# Altium PCB MC21R01.PcbDoc (part 3 of 5)
Units mm, origin at the board's own origin, x right, y up, seen from the top; angles counter-clockwise.
Board outline 100 x 50 mm, 8 copper layers (Top Layer, Layer 2, Layer 3, Layer 4, Layer 5, Layer 6, Layer 7, Bottom Layer), stack 1.724 mm thick; 414 components, 332 nets, 1863 pads, 665 vias.
Unrouted connection lines stored in the file: 196.
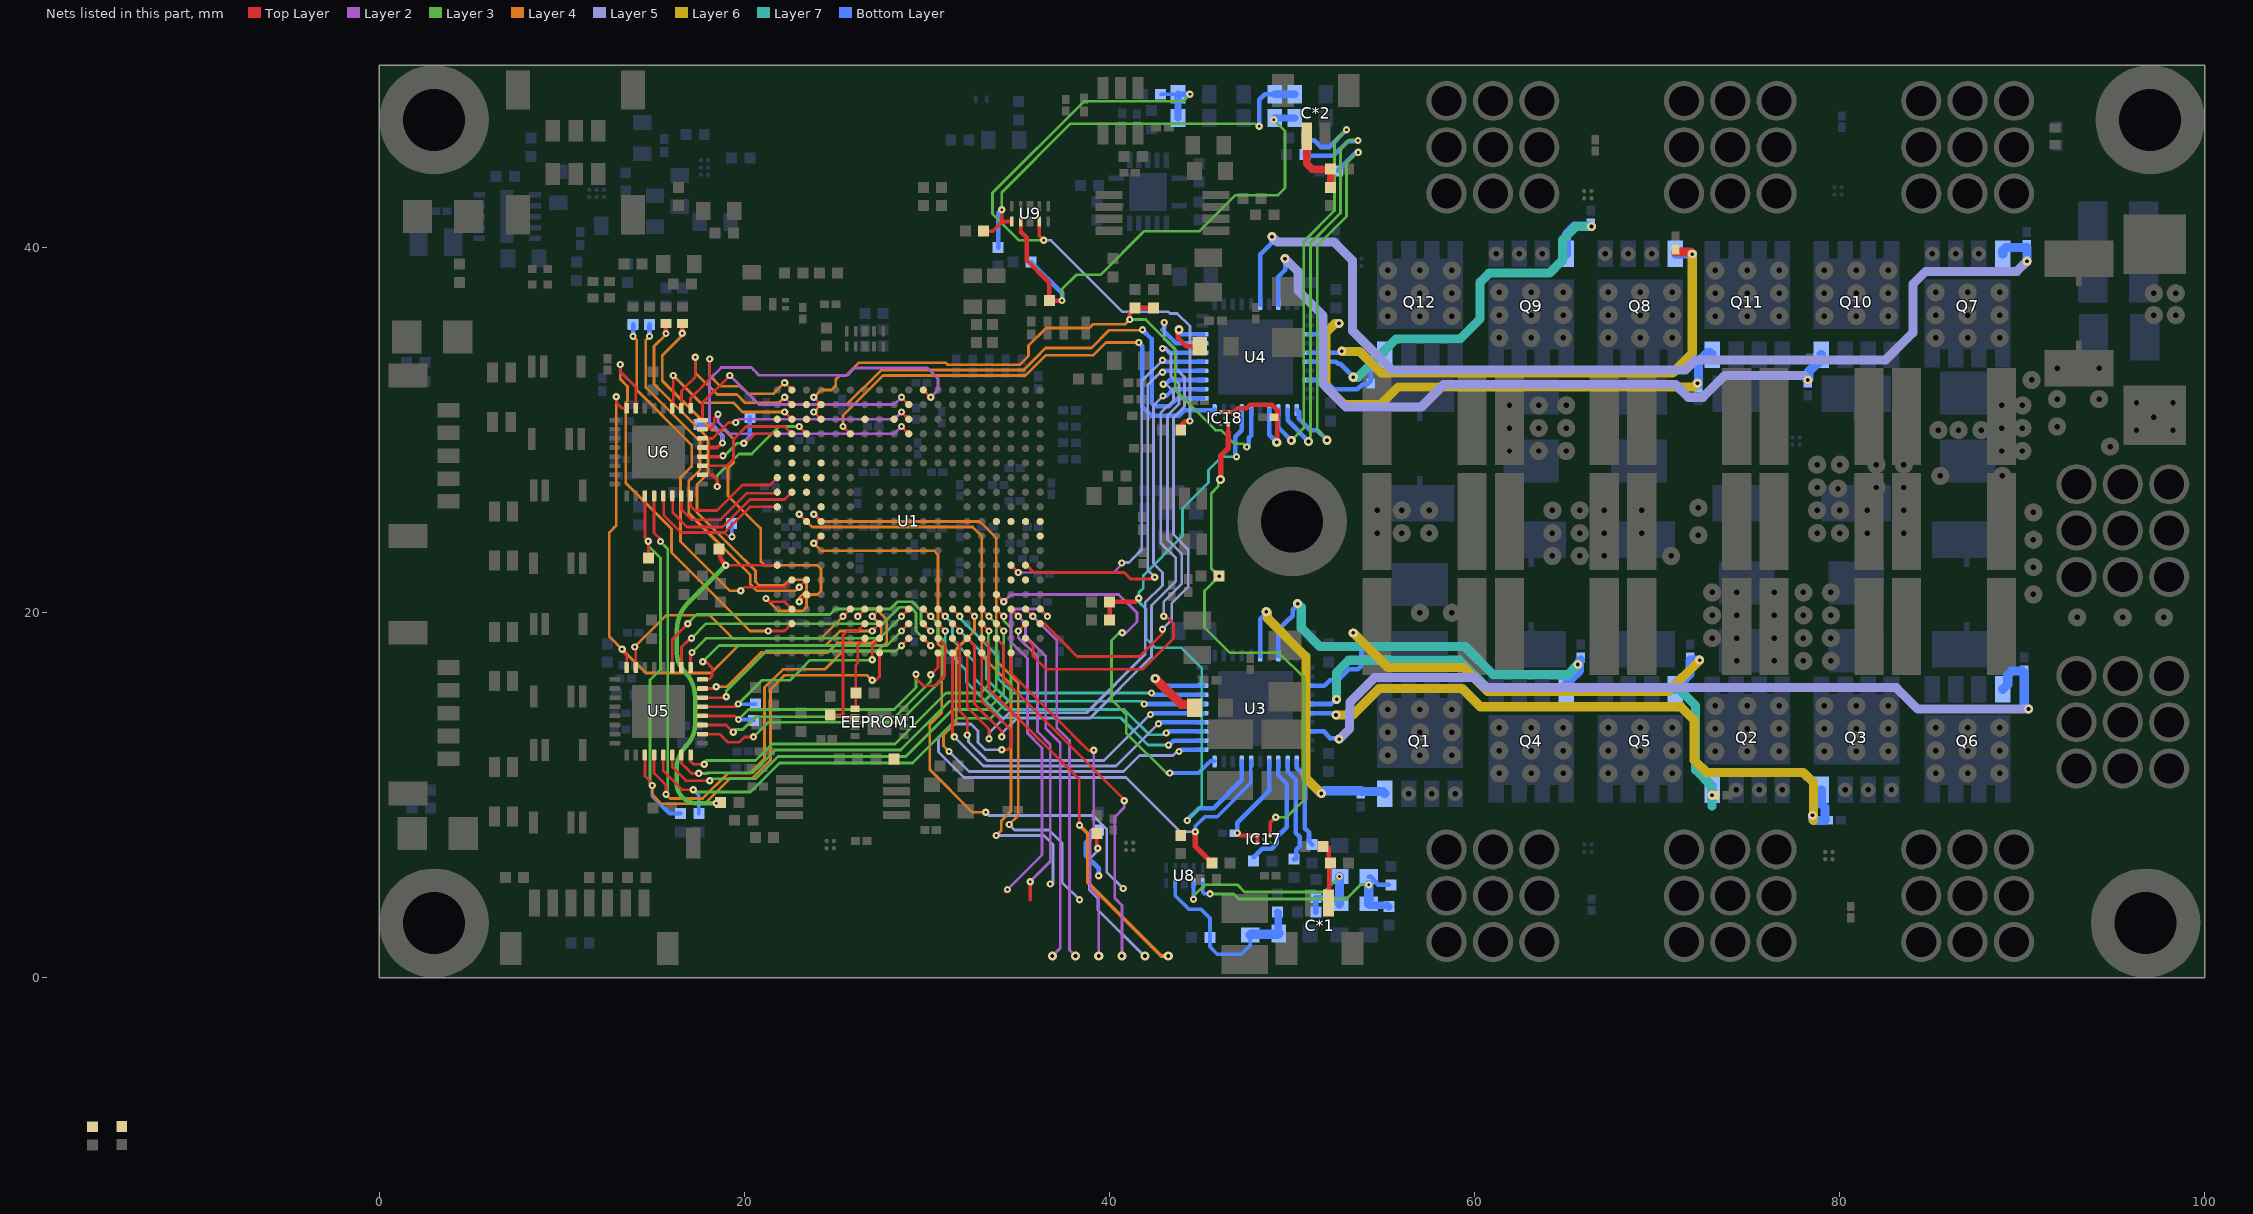
[diagram p9: the nets of this part, all layers, seen from the top]

## Via types
v1: diameter 0.4, hole 0.15, Top Layer to Bottom Layer, 497 vias
v2: diameter 0.5, hole 0.2, Top Layer to Bottom Layer, 122 vias
v3: diameter 0.6, hole 0.3, Top Layer to Bottom Layer, 45 vias
v4: diameter 0.4/0.4/0.4/0.4/0.4/0.4/0.4/0.4 (per signal layer), hole 0.15, Top Layer to Bottom Layer, 1 vias

## Nets (pads, with @x,y where several pads share a name; then routed paths per layer and width w, separated by ;. In a path a pad name is that pad's centre, name@x,y a point inside that pad or via, vN(x,y) a via of type N, cw(c..) or ccw(c..) an arc to the next point about the centre after c; other vN are vias at no path point) (continued)
DRV1_2_SOMI_GPIO17: R20.1 R66.2 U3.27 U4.27 | length 35.6
  Top Layer w0.25: R20.1@40,19.6 R66.2@40,20.6 41.4,20.6 v1(41.6,20.8)
  Layer 7 w0.15: v1(44.253,8.623) 45.044,9.413 45.044,16.978 43.944,18.077 42.507,18.077 42,18.584 42,20.2 41.6,20.6 v1(41.6,20.8) 41.6,21.1 41.85,21.35 41.85,22.05 44,24.2 44,25.716 45.425,27.141 45.425,27.825 46.14,28.54 v1(46.957,28.54)
  Bottom Layer w0.25: v1(44.253,8.623) 44.253,8.653 44.9,9.3 45.7,9.3 47.25,10.85 U3.27@47.25,11.875 ; v1(46.957,28.54) 46.891,28.606 46.891,29.641 47.25,30 U4.27@47.25,31.125
DRV1_3V3_REF: C26.1 IC17.C1 IC17.C3 U3.24 | length 6.2
  Top Layer w0.2: v1(47,7.931) 47.131,7.8 IC17.C1@48.1,7.8 IC17.C3@48.1,7.4
  Bottom Layer w0.25: v1(47,7.931) 47,8.5 48.75,10.25 U3.24@48.75,11.875
DRV1_ENABLE_GPIO89: U1.D6 U3.31 | length 23.7
  Top Layer w0.15: U1.D6@32.2,20.2 v1(32.6,19.8)
  Layer 4 w0.15: v1(31.2,12.4) 30.9,12.7 30.9,13.3 31.6,14 31.6,18 32.6,19 v1(32.6,19.8)
  Layer 5 w0.15: v1(31.2,12.4) 32.3,11.3 40.759,11.3 41.634,12.175 43.469,12.175 43.694,12.4 v1(43.8,12.4)
  Bottom Layer w0.25: v1(43.8,12.4) 43.841,12.4 43.941,12.5 U3.31@45.125,12.5
DRV1_INHA_GPIO00: U1.C8 U3.32 | length 18.4
  Top Layer w0.15: U1.C8@30.6,19.4 v1(31,19)
  Layer 7 w0.15: v1(31,19) 31,18 32.1,16.9 32.15,16.85 32.15,16.214 34.114,14.25 40.614,14.25 42.114,12.75 v1(43.231,12.75)
  Bottom Layer w0.25: v1@43.231,12.718 v1(43.231,12.75) ; v1@43.247,12.734 43.513,13 U3.32@45.125,13
DRV1_INHB_GPIO02: U1.A7 U3.34 | length 19.9
  Top Layer w0.15: U1.A7@31.4,17.8 31.4,13.3 v1(31.5,13.2)
  Layer 5 w0.15: v1(31.5,13.2) 33.1,11.6 40.352,11.6 v1(42.676,13.925)
  Bottom Layer w0.25: v1(42.676,13.925) 42.717,13.925 42.792,14 U3.34@45.125,14
DRV1_INHC_GPIO04: U1.C7 U3.36 | length 16.2
  Top Layer w0.15: U1.C7@31.4,19.4 v1(31.8,19)
  Layer 7 w0.15: v1(31.8,19) 33.262,17.537 33.262,16.9 33.262,16.374 34.486,15.15 41.75,15.15 v4(41.9,15)
  Bottom Layer w0.25: v4(41.9,15) U3.36@45.125,15
DRV1_INLA_GPIO01: U1.D8 U3.33 | length 18.5
  Top Layer w0.15: U1.D8@30.6,20.2 v1(31,19.8)
  Layer 7 w0.15: v1(31,19.8) 31.4,19.4 31.4,18.5 32.6,17.3 32.6,16.9 32.6,16.4 34.3,14.7 40.8,14.7 42.185,13.315 43.003,13.315 v1(43.1,13.412)
  Bottom Layer w0.25: v1(43.1,13.412) 43.141,13.412 43.229,13.5 U3.33@45.125,13.5
DRV1_INLB_GPIO03: U1.B7 U3.35 | length 20.5
  Top Layer w0.15: U1.B7@31.4,18.6 31.8,18.2 31.8,14.6 32.2,14.2 v1(32.2,13.3)
  Layer 5 w0.15: v1(32.2,13.3) 32.229,13.271 32.229,13.165 32.275,13.119 32.275,12.925 33.3,11.9 39.7,11.9 42.225,14.425 v1(42.244,14.425)
  Bottom Layer w0.25: v1(42.244,14.425) 42.224,14.425 42.21,14.44 42.27,14.5 U3.35@45.125,14.5
DRV1_INLC_GPIO05: U1.D7 U3.37 | length 16.4
  Top Layer w0.15: U1.D7@31.4,20.2 v1(31.8,19.8)
  Layer 7 w0.15: v1(31.8,19.8) 31.8,19.7 33.9,17.6 33.9,16.9 33.9,16.4 34.7,15.6 41.5,15.6 v1@42.3,15.6
  Bottom Layer w0.25: v1(42.3,15.6) 42.4,15.5 U3.37@45.125,15.5
DRV1_ISENA_ADCA0: R73.2 U3.23 | length 6.5
  Bottom Layer w0.25: R73.2@47.894,6.597 48.372,7.075 48.875,7.075 49.166,7.366 49.166,7.722 49.532,8.088 49.7,8.257 49.7,10.636 49.25,11.086 U3.23@49.25,11.875
DRV1_ISENB_ADCB0: R82.2 U3.22 | length 5.8
  Bottom Layer w0.25: U3.22@49.75,11.875 49.75,11.5 49.75,11.293 50.2,10.843 50.2,7.938 50.416,7.722 50.416,7.205 50.221,7.01 50.221,6.521 50.2,6.5 R82.2@50.1,6.5
DRV1_ISENC_ADCD0: R94.2 U3.21 | length 4.9
  Bottom Layer w0.25: U3.21@50.25,11.875 50.25,11.5 50.7,11.05 50.7,8.2 50.925,7.975 50.925,7.475 R94.2@51.1,7.3
DRV1_MOT_TEMP_ADCC4: C*1.1 R29.1 R91.2 | length 3.3
  Top Layer w0.25: R29.1@51.9,7.2 52,7.1 52,6.25 R91.2@52.025,6.225 ; C*1.1@52,4.1 52.025,4.125 R91.2@52.025,6.225 ; R91.2@52.1,6.3 R91.2@52.025,6.225
DRV1_nCS_GPIO19: U1.E4 U3.30 | length 22
  Top Layer w0.15: U1.E4@33.8,21 v1(34.2,20.6)
  Layer 2 w0.15: v1(34.2,20.6) 34.6,21 40.5,21 41.5,20 41.5,19.5 40.9,18.9 v1(40.7,18.9)
  Layer 3 w0.15: v1@40.521,18.9 40.103,18.483 40.103,15.24 40.907,14.436 40.907,13.42 43.107,11.22 43.11,11.223 v1(43.296,11.223)
  Bottom Layer w0.2: v1(43.296,11.223) 44.877,11.223 45.529,11.875 U3.30@45.75,11.875
DRV1_nFAULT_GPIO90: R27.1 R28.1 U1.A5 U3.26 | length 35.4
  Top Layer w0.15: U1.A5@33,17.8 33,15.166 34.625,13.541 34.625,12.713 34.412,12.5 v1(34.1,12.5)
  Top Layer w0.3: v1(44.7,8) 44.7,7.2 R28.1@45.6,6.3
  Layer 5 w0.15: v1(34.1,12.5) 33.187,12.5 32.787,12.899 32.787,13.526 32.413,13.9 31.387,13.9 30.625,13.138 30.625,12.375 32.02,10.98 40.906,10.98 43.887,8 v1(44.7,8)
  Bottom Layer w0.2: v1(44.7,8) 44.7,8.3 45.225,8.825 45.897,8.825 47.725,10.653 47.725,11.525 47.75,11.55 U3.26@47.75,11.875
DRV1_VSENA_ADCA2: C21.1 R17.1 R21.2 R75.2 U8.1 | length 13.6
  Layer 3 w0.15: v1(45.5,4.6) 46.8,4.6 47.075,4.325 52.975,4.325 53.75,5.1 v1(54.2,5.1)
  Bottom Layer w0.2: U8.1@45.1,5.183 45.1,4.7 45.2,4.6 v1(45.5,4.6)
  Bottom Layer w0.25: R17.1@54.2,5.55 54.3,5.55 54.575,5.275 54.575,5.246 54.721,5.1 R75.2@55.3,5.1
  Bottom Layer w0.4: R21.2@54.2,4.05 54.275,3.975 55.225,3.975 C21.1@55.3,3.9
  Bottom Layer w0.5: R21.2@54.2,4.05 v1(54.2,5.1)
DRV1_VSENB_ADCB2: C19.1 R18.1 R22.2 R84.2 U8.2 | length 13.4
  Layer 3 w0.15: v1@44.6,4.479 45.221,5.1 47,5.1 47.4,4.7 51.75,4.7 v1(52.6,5.55)
  Bottom Layer w0.2: v1(44.6,4.3) U8.2@44.6,5.183
  Bottom Layer w0.3: C19.1@51.3,3.6 R84.2@51.3,4.4 51.7,4.4 51.8,4.3 52.35,4.3 R22.2@52.6,4.05
  Bottom Layer w0.5: R22.2@52.6,4.05 v1(52.6,5.55)
DRV1_VSENC_ADCD2: C20.1 R19.1 R23.2 R96.2 U8.4 | length 10.6
  Bottom Layer w0.2: U8.4@43.6,5.183 43.6,4.5 44.346,3.754 45.009,3.754 45.5,3.263 R96.2@45.5,2.2 45.5,1.7 45.9,1.3 47.2,1.3 47.7,1.8 R19.1@47.7,2.35
  Bottom Layer w0.4: C20.1@49.2,3.6 49.238,3.562 49.238,2.462 R23.2@49.276,2.424
  Bottom Layer w0.5: R19.1@47.7,2.35 47.737,2.387 49.239,2.387 R23.2@49.276,2.424
DRV2_3V3_REF: C49.1 IC18.C1 IC18.C3 U4.24 | length 7.1
  Top Layer w0.2: IC18.C3@46.1,30.993 IC18.C1@46.5,30.993 46.793,30.993 47,31.2
  Top Layer w0.25: 47,31.2 47.5,31.2 47.7,31.4 48.9,31.4 49.2,31.1 49.2,30.7 49.18,30.68 49.18,29.352 v2(49.16,29.332)
  Bottom Layer w0.25: U4.24@48.75,31.125 48.75,29.742 v2(49.16,29.332)
DRV2_ENABLE_GPIO37: U1.U16 U4.31 | length 27.7
  Top Layer w0.15: v1(23.8,31) U1.U16@24.2,30.6
  Layer 4 w0.15: v1(23.8,31) 24.2,31.4 25.6,31.4 27.499,33.299 35.299,33.299 35.9,33.9 36.5,34.5 39,34.5 39.973,35.473 ; 40.03,35.473 41.773,35.473 v1(41.8,35.5)
  Bottom Layer w0.25: v1(41.8,35.5) 41.8,35.493 42.3,34.993 42.3,31.5 42.501,31.299 43.251,31.299 43.652,31.7 43.7,31.7 43.75,31.75 U4.31@45.125,31.75
DRV2_INHA_GPIO06: U1.A6 U4.32 | length 33.2
  Top Layer w0.15: U1.A6@32.2,17.8 32.2,14.834 33.4,13.634 v1(33.4,13.1)
  Layer 5 w0.15: v1(33.4,13.1) 33.403,13.103 33.403,13.41 34.517,14.524 38.75,14.524 41.951,17.725 41.951,20.551 42.9,21.5 42.9,22.2 42.4,22.7 42.4,31.343 v1(42.93,31.874)
  Bottom Layer w0.25: v1(42.93,31.874) v1(42.93,31.874) 43.12,31.875 43.495,32.25 U4.32@45.125,32.25
DRV2_INHB_GPIO08: U1.G2 U4.34 | length 21.5
  Top Layer w0.15: U1.G2@35.4,22.6 35.462,22.6 35.862,22.2 36.366,22.2 37.5,22.2 40.806,22.2 41.162,21.845 42.204,21.845 42.262,21.902 42.426,21.902 v1(42.474,21.95)
  Layer 5 w0.15: v1(42.474,21.95) 42.098,22.326 42.098,32.491 42.753,33.146 42.871,33.146 v1(42.9,33.175)
  Bottom Layer w0.25: v1(42.9,33.175) 42.975,33.25 U4.34@45.125,33.25
DRV2_INHC_GPIO10: U1.B2 U4.36 | length 29.8
  Top Layer w0.15: U1.B2@35.4,18.6 35.8,18.2 35.8,17.966 35.8,17.634 36.534,16.9 41.8,16.9 43.5,18.6 43.5,19.407 43.202,19.705 43.138,19.705 43.032,19.812 v1(42.964,19.812)
  Layer 5 w0.15: v1(42.9,34.475) 43.063,34.475 43.363,34.176 43.363,32.961 cw(c-54.164,-64.991) 43.692,32.633 ; v1(42.964,19.812) 42.964,20.597 43.96,21.593 43.96,23.227 43.17,24.018 43.17,30.797 43.806,31.433 43.806,32.518 43.692,32.633 ; 43.689,32.635 cw(c42.93,31.874) 43.692,32.633
  Bottom Layer w0.25: v1(42.9,34.475) 43.063,34.475 43.288,34.25 U4.36@45.125,34.25
DRV2_INLA_GPIO07: U1.B6 U4.33 | length 35
  Top Layer w0.15: U1.B6@32.2,18.6 32.6,18.2 32.6,16.8 32.6,15 33,14.6 34.099,13.501 v1(34.1,13.2)
  Layer 5 w0.15: v1(34.1,13.2) 34.129,13.229 34.129,13.429 34.921,14.221 38.928,14.221 42.3,17.593 42.3,20.4 43.632,21.732 43.632,22.998 42.8,23.831 42.8,29 42.8,30.93 43.505,31.635 43.505,32.112 43.338,32.279 ccw(c42.93,31.874) 43.336,32.281 43.174,32.443 43.094,32.524 v1(42.944,32.524)
  Bottom Layer w0.25: v1(42.944,32.524) 42.945,32.525 43.063,32.525 43.288,32.75 U4.33@45.125,32.75
DRV2_INLB_GPIO09: U1.G3 U4.35 | length 21
  Top Layer w0.15: U1.G3@34.6,22.6 v1(35,22.2)
  Layer 2 w0.125: v1(35,22.2) 37.5,22.2 ; 40.224,22.2 40.672,22.648 v1(40.672,22.725)
  Layer 2 w0.15: 37.5,22.2 40.224,22.2
  Layer 5 w0.15: v1(40.672,22.725) 40.701,22.754 41.054,22.754 41.3,23 41.764,23.464 41.764,32.689 42.899,33.824 v1(42.9,33.825)
  Bottom Layer w0.25: v1(42.9,33.825) 42.975,33.75 U4.35@45.125,33.75
DRV2_INLC_GPIO11: U1.C1 U4.37 | length 29.6
  Top Layer w0.15: U1.C1@36.2,19.4 36.427,19.4 37.5,18.327 38.227,17.6 41.637,17.6 42.908,18.872 42.908,19.092 v1(42.9,19.1)
  Layer 5 w0.15: v1(42.9,19.1) 43.4,19.6 43.4,20.5 44.307,21.407 44.307,23.475 43.5,24.282 43.5,30.7 44.1,31.3 44.1,32.9 43.638,33.362 43.638,34.362 43,35 v1(43,35.9)
  Bottom Layer w0.25: v1(43,35.9) 43,35.593 42.9,35.493 43.643,34.75 U4.37@45.125,34.75
DRV2_ISENA_ADCA1: R74.2 U4.23 | length 23
  Layer 3 w0.15: v2(49.958,29.435) 50.636,30.112 50.636,40.335 52.326,42.026 52.326,45.8 v1(52.976,46.45)
  Bottom Layer w0.25: U4.23@49.25,31.125 49.25,30.144 v2(49.958,29.435) ; R74.2@50.8,46 50.925,45.875 51.212,45.875 51.562,45.525 52.051,45.525 v1(52.976,46.45)
DRV2_ISENB_ADCB1: R83.2 U4.22 | length 23.5
  Layer 3 w0.15: v2(50.897,29.382) 50.945,29.43 50.945,29.599 51,29.654 51,31.421 51,40.238 52.651,41.889 52.651,45.407 53.144,45.9 53.555,45.9 53.612,45.843 v1(53.612,45.865)
  Bottom Layer w0.25: U4.22@49.75,31.125 49.75,30.536 50.886,29.4 50.9,29.4 50.9,29.385 v2(50.897,29.382) ; R83.2@50.7,45.2 50.875,45.025 52.258,45.025 53.07,45.836 53.583,45.836 v1(53.612,45.865)
DRV2_ISENC_ADCD1: R95.2 U4.21 | length 21.2
  Top Layer w0.25: v2(51.913,29.445) v2@51.98,29.445
  Layer 3 w0.15: v2(51.913,29.445) 51.378,29.979 51.378,40.113 52.975,41.71 52.975,44.64 53.55,45.215 v1(53.625,45.215)
  Bottom Layer w0.25: U4.21@50.25,31.125 50.375,31 50.375,30.618 50.993,30 51.375,30 51.913,29.462 v2(51.913,29.445) ; R95.2@52.5,44.2 53.486,45.186 53.596,45.186 v1(53.625,45.215)
DRV2_MOT_TEMP_ADCC5: C*2.1 R42.1 R92.2 | length 3.9
  Top Layer w0.4: C*2.1@50.8,46.1 50.8,44.6 51.1,44.3 R42.1@52.1,44.3 R92.2@52.1,43.3
DRV2_nCS_GPIO35: U1.T14 U4.30 | length 26.9
  Top Layer w0.15: v1(25.4,30.2) U1.T14@25.8,29.8
  Layer 4 w0.15: v1(25.4,30.2) 25.4,30.8 27.6,33 35.4,33 36.5,34.1 39.1,34.1 39.8,34.8 v1(41.6,34.8)
  Bottom Layer w0.25: v1(41.6,34.8) 41.8,34.6 41.8,31.293 42.294,30.799 43.797,30.799 44.098,31.1 U4.30@45.75,31.1 U4.30@45.75,31.125
DRV2_nFAULT_GPIO36: R40.1 R41.1 U1.V16 U4.26 | length 34.8
  Top Layer w0.15: v1(23.8,31.8) U1.V16@24.2,31.4
  Top Layer w0.25: v1(41.112,36.065) 41.112,36.412 R40.1@41.4,36.7 R41.1@42.4,36.7
  Layer 3 w0.15: v1(41.112,36.065) 41.98,36.065 43.6,34.444 43.6,32.2 45.8,30 46.1,30 46.848,29.252 47.341,29.252 v1(47.516,29.076)
  Layer 4 w0.15: v1(23.8,31.8) 24.2,32.2 24.766,32.2 25,32.434 25,32.766 25.234,33 25.566,33 26.266,33.7 31,33.7 31.113,33.587 35.087,33.587 35.4,33.9 35.56,34.06 35.56,34.63 36.531,35.6 38.9,35.6 39.1,35.8 40.847,35.8 v1(41.112,36.065)
  Bottom Layer w0.25: v1(47.516,29.076) 47.633,29.193 47.633,29.591 47.75,29.708 U4.26@47.75,31.125
DRV2_VSENA_ADCA3: C44.1 R30.1 R34.2 R76.2 U9.4 | length 37.7
  Top Layer w0.2: U9.4@36.144,41.432 36.144,40.649 36.151,40.649 v1(36.4,40.4)
  Top Layer w0.25: R76.2@43.9,30 43.9,30.25 44.15,30.5 v1(44.4,30.5)
  Layer 3 w0.15: v1(36.4,40.4) 35.035,40.4 33.592,41.843 33.592,43.004 38.6,48.012 44.012,48.012 v1(44.4,48.4)
  Layer 5 w0.15: v1(36.4,40.4) 36.795,40.4 40.715,36.48 43.22,36.48 43.304,36.396 43.704,36.396 44.4,35.7 v1(44.4,30.5)
  Bottom Layer w0.2: C44.1@42.8,48.4 R34.2@43.75,48.4
  Bottom Layer w0.3: R34.2@43.75,48.4 v1(44.4,48.4)
  Bottom Layer w0.4: R30.1@43.75,47.1 R34.2@43.75,48.4
DRV2_VSENB_ADCB3: C42.1 R31.1 R35.2 R85.2 U9.2 | length 28.8
  Top Layer w0.2: 35.144,40.869 U9.2@35.144,41.432
  Top Layer w0.25: 35.144,40.869 35.475,40.538 35.475,39.292 36.7,38.067 R85.2@36.7,37.1 v1(37.4,37.1)
  Layer 3 w0.15: v1(37.4,37.1) 37.4,37.736 38.174,38.51 39.512,38.51 41.901,40.9 44.924,40.9 46.899,42.875 48.753,42.875 49.229,42.875 49.616,43.262 49.616,46.384 v1(49,47)
  Bottom Layer w0.25: C42.1@35.7,39.2 37.4,37.5 v1(37.4,37.1) ; v1(49,47) 49.05,47.05 R35.2@49.05,47.1
  Bottom Layer w0.4: R35.2@49.05,47.1 R31.1@50.15,47.1
DRV2_VSENC_ADCD3: C43.1 R32.1 R36.2 R97.2 U9.1 | length 24.8
  Top Layer w0.2: R97.2@33.1,40.9 33.6,40.9 34.132,41.432 ; v1(34.094,42.067) 34.094,41.471 34.132,41.432 ; U9.1@34.644,41.432 34.132,41.432
  Layer 3 w0.15: v1(34.094,42.067) 34.094,43.025 37.86,46.79 47.954,46.79 48.065,46.679 48.171,46.679 v1(48.2,46.65)
  Bottom Layer w0.25: C43.1@33.9,40 33.9,41.873 v1(34.094,42.067) ; 48.199,47.423 48.199,48.099 48.5,48.4 R36.2@49.05,48.4 ; v1(48.2,46.65) 48.2,47.422
  Bottom Layer w0.4: R36.2@49.05,48.4 R32.1@50.15,48.4
DRV_3V3_REF: IC17.A1 IC18.A1 R70.1 | length 28.3
  Top Layer w0.2: 46.5,29.9 IC18.A1@46.5,30.3 ; IC17.A1@48.793,7.8 48.793,8.493 v1(49.1,8.8)
  Top Layer w0.3: v2(46.075,27.3) 46.1,27.325 46.1,28.603 46.5,29.003 46.5,29.9
  Layer 3 w0.15: v2(46.075,27.3) 46.075,27.246 45.95,27.121 45.95,26.924 45.569,26.542 45.569,22.431 v2(46,22) 45.2,21.2 45.2,19.2 46.597,17.803 49.29,17.803 50.645,16.448 50.645,9.745 49.7,8.8 v1(49.1,8.8)
DVDD1: C12.1 U3.38 | length 5.7
  Top Layer w0.5: v2(42.5,16.4) 43.923,14.977 44.5,14.977 44.65,14.827 C12.1@44.65,14.8
  Bottom Layer w0.25: v2(42.5,16.4) 42.5,16.344 42.6,16.244 42.844,16 44.5,16 U3.38@45.125,16
DVDD2: C35.1 U4.38 | length 3.5
  Top Layer w0.25: v2(43.8,35.5) 43.8,35.432 43.742,35.374 43.742,35.058 44.2,34.6 C35.1@44.95,34.6
  Bottom Layer w0.25: v2(43.8,35.5) 43.7,35.4 43.85,35.25 U4.38@45.125,35.25
ECAT0_INT_GPIO154: R50.2 U1.B12 U5.21 | length 12.6
  Top Layer w0.15: U5.21@17.7,14.85 19.517,14.85 v1(19.663,14.996) ; v1(27,17.428) 27,18.2 U1.B12@27.4,18.6
  Layer 3 w0.15: v1(19.663,14.996) 20.967,16.3 22.5,16.3 23.1,16.9 23.6,17.4 26.972,17.4 v1(27,17.428)
  Bottom Layer w0.2: v1(19.663,14.996) 20.596,14.996 R50.2@20.6,15
ECAT0_LINK_GPIO143: R59.2 U1.F18 | length 20.9
  Top Layer w0.15: v1(19.8,21.2) 20,21.4 22.2,21.4 U1.F18@22.6,21.8
  Layer 4 w0.15: v1(13.9,35.15) 14.1,34.95 14.1,32.2 17.11,29.19 17.11,28.01 16.5,27.4 16.5,23.9 19.2,21.2 v1(19.8,21.2)
  Bottom Layer w0.25: v1(13.9,35.15) R59.2@13.9,35.8
ECAT0_PHYLINK_GPIO148: U1.D14 U5.31 | length 14.9
  Top Layer w0.15: v1(13.988,18.123) 14.05,18.062 U5.31@14.05,17 ; v1(25.4,19.8) U1.D14@25.8,20.2
  Layer 4 w0.15: v1(13.988,18.123) 15.734,19.869 18.095,19.869 19.364,18.6 20.5,18.6 24.2,18.6 v1(25.4,19.8)
ECAT0_RXCLK_GPIO163: U1.A8 U5.19 | length 15.5
  Top Layer w0.15: U5.19@17.7,13.85 18.998,13.85 v1(19.386,13.462) ; v1(30.2,16.6) 30.5,16.9 30.6,17 U1.A8@30.6,17.8
  Layer 3 w0.15: v1(19.386,13.462) 19.523,13.599 19.907,13.599 20.608,14.3 28.258,14.3 30.2,16.242 v1(30.2,16.6)
ECAT0_RXD0_GPIO165: U1.C5 U5.16 | length 22.1
  Top Layer w0.15: U5.16@17.05,12.2 17.05,11.85 17.2,11.7 v1(17.8,11.7) ; U1.C5@33,19.4 v1(33.4,19)
  Layer 3 w0.15: v1(17.8,11.7) 17.8,11.786 17.793,11.793 17.9,11.9 20.611,11.9 21.524,12.813 28.249,12.813 31.036,15.6 32.95,15.6 33.35,16 33.35,16.9 33.35,18.95 v1(33.4,19)
ECAT0_RXD1_GPIO166: U1.D5 U5.15 | length 24.6
  Top Layer w0.15: U5.15@16.55,12.2 16.55,11.75 16.9,11.4 17.1,11.2 v1(17.5,11.2) ; U1.D5@33,20.2 v1(33.4,19.8)
  Layer 3 w0.15: v1(17.5,11.2) 17.899,11.2 17.924,11.225 18.065,11.225 18.076,11.236 20.452,11.236 21.698,12.482 28.555,12.482 31.223,15.15 33.136,15.15 33.787,15.801 33.787,16.9 33.787,18.822 33.8,18.834 33.8,19.166 33.787,19.178 33.787,19.413 v1(33.4,19.8)
ECAT0_RXD2_GPIO167: U1.C4 U5.14 | length 25.1
  Top Layer w0.15: U5.14@16.05,12.2 16.05,11.55 16.8,10.8 v1(18.1,10.8) ; U1.C4@33.8,19.4 v1(34.2,19)
  Layer 3 w0.15: v1(18.1,10.8) 18.211,10.911 20.622,10.911 21.837,12.126 28.835,12.126 31.409,14.7 33.323,14.7 34.2,15.577 34.2,16.9 v1(34.2,19)
ECAT0_RXD3_GPIO168: R46.1 U1.D4 U5.13 | length 29.2
  Top Layer w0.15: U5.13@15.55,12.2 15.55,11.35 16.6,10.3 v1(17.2,10.3) ; U1.D4@33.8,20.2 v1(34.2,19.8)
  Layer 3 w0.15: v1(17.2,10.3) 17.2,10.275 17.3,10.175 20.336,10.175 21.931,11.769 29.216,11.769 31.671,14.225 33.509,14.225 34.6,15.315 34.6,18.834 34.6,19.166 34.366,19.4 34.2,19.566 v1(34.2,19.8)
  Bottom Layer w0.2: v1(17.2,10.3) 17.5,10 R46.1@17.5,9
ECAT0_RXDV_GPIO162: U1.D9 U5.18 | length 19.1
  Top Layer w0.15: U5.18@17.7,13.35 18.65,13.35 19.1,12.9 19.7,12.9 20,13.2 v1(20.5,13.2) ; U1.D9@29.8,20.2 v1(30.2,19.8)
  Layer 3 w0.15: v1(20.5,13.2) 21.297,13.997 28.464,13.997 30.9,16.433 30.9,16.9 30.9,18.5 30.6,18.8 30.6,19.4 v1(30.2,19.8)
ECAT0_RXERR_GPIO164: R44.2 U1.B8 U5.20 | length 18.5
  Top Layer w0.15: U5.20@17.7,14.35 19.478,14.35 v1(19.679,14.149) ; v1(29.4,16.628) 29.4,16.4 29.8,16 30.4,16 30.975,16.575 30.975,16.9 30.975,17.609 31,17.634 31,17.944 31,18.2 U1.B8@30.6,18.6
  Layer 3 w0.15: v1(19.679,14.149) 20.231,14.7 28.2,14.7 29.4,15.9 v1(29.4,16.628)
  Bottom Layer w0.2: v1(19.679,14.149) 20.451,14.149 R44.2@20.5,14.1
ECAT0_TXCLK_GPIO157: U1.B10 U5.22 | length 12.8
  Top Layer w0.15: U5.22@17.7,15.35 18.95,15.35 v1(19,15.4) ; v1(28.6,18.2) U1.B10@29,18.6
  Layer 3 w0.15: v1(19,15.4) 19,15.7 20.5,17.2 21.2,17.9 28.3,17.9 v1(28.6,18.2)
ECAT0_TXD0_GPIO158: U1.C10 U5.24 | length 13.9
  Top Layer w0.15: U5.24@17.7,16.35 18.053,16.35 18.233,16.53 18.233,16.988 17.922,17.299 v1@17.7,17.299 ; v1(28.6,19) U1.C10@29,19.4
  Layer 3 w0.15: v1(17.721,17.32) 18.601,18.2 20.5,18.2 21,18.2 27.8,18.2 v1(28.6,19)
ECAT0_TXD1_GPIO159: U1.D10 U5.25 | length 13.7
  Top Layer w0.15: U5.25@17.05,17 17.05,17.75 v1(17.124,17.824) ; v1(28.6,19.8) U1.D10@29,20.2
  Layer 3 w0.15: v1(17.124,17.824) 17.9,18.6 20.5,18.6 27.4,18.6 v1(28.6,19.8)
ECAT0_TXD2_GPIO160: U1.B9 U5.26 | length 17.7
  Top Layer w0.15: U5.26@16.55,17 16.55,18.119 17.031,18.6 v1(17.1,18.6) ; U1.B9@29.8,18.6 v1(30.2,18.2)
  Layer 3 w0.15: v1(17.1,18.6) 17.9,19.4 20.5,19.4 27.6,19.4 28.5,20.3 29.1,20.3 29.4,20 29.4,19 v1(30.2,18.2)
ECAT0_TXD3_GPIO161: U1.C9 U5.27 | length 18.2
  Top Layer w0.15: U5.27@16.05,17 16.05,18.55 v1(16.9,19.4) ; U1.C9@29.8,19.4 v1(30.2,19)
  Layer 3 w0.15: v1(16.9,19.4) 16.9,19.422 17.378,19.9 20.478,19.9 20.5,19.9 24.678,19.9 24.978,20.2 27.978,20.2 28.378,20.6 29.2,20.6 29.678,20.122 29.678,19.5 30.178,19 v1(30.2,19)
ECAT0_TXEN_GPIO156: U1.D12 U5.23 | length 12.8
  Top Layer w0.15: U5.23@17.7,15.85 18.352,15.85 v1(18.45,15.948) ; v1(27,19.8) U1.D12@27.4,20.2
  Layer 4 w0.15: v1(18.45,15.948) 19.048,15.948 20.922,17.822 24.564,17.822 25.092,18.35 26.996,18.35 27.5,18.854 27.5,19.3 v1(27,19.8)
ECAT1_INT_GPIO128: R58.2 U1.W9 U6.21 | length 22.1
  Top Layer w0.15: U1.W9@29.8,32.2 v1(30.201,31.799)
  Top Layer w0.2: U6.21@17.7,29.05 18.494,29.05 18.594,29.15 18.65,29.15 v1(18.8,29.3)
  Layer 2 w0.15: v1(18.8,29.3) 18.8,29.676 18.091,30.386 18.091,32.791 18.733,33.433 20.382,33.433 20.5,33.314 20.808,33.007 25.228,33.007 25.234,33 25.566,33 25.572,33.007 25.64,33.007 26.033,33.4 30.03,33.4 30.6,32.83 30.6,32.199 v1(30.201,31.799)
  Bottom Layer w0.25: R58.2@17.5,30.3 18.2,30.3 18.8,29.7 v1(18.8,29.3)
ECAT1_LINK_GPIO144: R60.2 U1.F17 | length 20.7
  Top Layer w0.15: v1(23,21.4) U1.F17@23.4,21.8
  Top Layer w0.25: v1@14.798,35.152 v1(14.8,35.15)
  Layer 4 w0.15: v1(14.8,35.15) 14.6,34.95 14.6,32.336 17.56,29.376 17.56,27.824 16.95,27.214 16.95,25.45 20.323,22.077 20.323,21.588 20.325,21.586 20.325,21.564 20.5,21.389 20.689,21.2 22.8,21.2 v1(23,21.4)
  Bottom Layer w0.25: v1(14.8,35.15) R60.2@14.8,35.8
ECAT1_PHYLINK_GPIO68: U1.C18 U6.31 | length 22.8
  Top Layer w0.15: v1(13.2,33.6) 13.2,33.2 14.05,32.35 14.05,32.05 U6.31@14.05,31.2 ; v1(21.3,19) 22.2,19 U1.C18@22.6,19.4
  Layer 4 w0.15: v1(13.2,33.6) 13.2,32.8 13.6,32.4 13.6,31.6 13.5,31.5 13.5,27.1 16,24.6 16,23.3 20.3,19 20.5,19 v1(21.3,19)
ECAT1_RXCLK_GPIO137: U1.T18 U6.19 | length 6.6
  Top Layer w0.15: U6.19@17.7,28.05 19.05,28.05 19.4,28.4 19.4,29.5 20.1,30.2 20.5,30.2 22.2,30.2 U1.T18@22.6,29.8
ECAT1_RXD0_GPIO139: U1.N19 U6.16 | length 6.1
  Top Layer w0.15: U6.16@17.05,26.4 17.05,25.85 17.3,25.6 18.5,25.6 19.9,27 20.5,27 21.4,27 U1.N19@21.8,27.4
ECAT1_RXD1_GPIO140: U1.M19 U6.15 | length 6.8
  Top Layer w0.15: U6.15@16.55,26.4 16.55,25.65 17.1,25.1 18.7,25.1 20.15,26.55 20.5,26.55 20.612,26.55 21.75,26.55 U1.M19@21.8,26.6
ECAT1_RXD2_GPIO141: U1.M18 U6.14 | length 8.6
  Top Layer w0.15: U6.14@16.05,26.4 16.075,26.375 16.075,25.984 16.075,25.489 16.864,24.7 18.8,24.7 20.3,26.2 20.5,26.2 22.2,26.2 U1.M18@22.6,26.6
ECAT1_RXD3_GPIO142: R54.1 U1.L19 U6.13 | length 9.5
  Top Layer w0.125: 18.9,24.4 19.141,24.159 v1(19.324,24.159)
  Top Layer w0.15: U6.13@15.55,26.4 15.575,26.375 15.575,25.352 16.527,24.4 18.9,24.4 20.3,25.8 U1.L19@21.8,25.8
  Bottom Layer w0.2: R54.1@19.3,24.9 19.3,24.183 v1(19.324,24.159)
ECAT1_RXDV_GPIO136: U1.T17 U6.18 | length 8.1
  Top Layer w0.15: v1(23,30.2) U1.T17@23.4,29.8
  Top Layer w0.2: U6.18@17.7,27.55 18.25,27.55 18.509,27.291 v1(18.509,26.912)
  Layer 3 w0.15: v1(18.509,26.912) 18.509,27.509 19.7,28.7 20.4,28.7 20.5,28.8 21.9,30.2 v1(23,30.2)
ECAT1_RXER_GPIO138: R52.2 U1.T19 U6.20 | length 6.2
  Top Layer w0.15: v1(19.968,29.278) 20.014,29.232 20.5,29.718 20.582,29.8 U1.T19@21.8,29.8
  Top Layer w0.2: U6.20@17.7,28.55 18.772,28.55 v1(18.822,28.6)
  Layer 3 w0.15: v1(18.822,28.6) 18.9,28.6 19.578,29.278 v1(19.968,29.278)
  Bottom Layer w0.25: v1(19.968,29.278) 20.3,29.61 R52.2@20.3,30.7
ECAT1_TXCLK_GPIO130: U1.U10 U6.22 | length 12.1
  Top Layer w0.15: U6.22@17.7,29.55 18.25,29.55 19.125,30.425 v1(19.525,30.425) ; v1(28.6,31) U1.U10@29,30.6
  Layer 2 w0.15: v1(19.525,30.425) 19.7,30.6 28.2,30.6 v1(28.6,31)
ECAT1_TXD0_GPIO131: U1.V10 U6.24 | length 13.9
  Top Layer w0.15: U6.24@17.7,30.55 17.7,31.5 v1(19.2,33) ; v1(28.6,31.8) U1.V10@29,31.4
  Layer 2 w0.15: v1(19.2,33) 20.5,31.7 20.8,31.4 28.2,31.4 v1(28.6,31.8)
ECAT1_TXD1_GPIO132: U1.W18 U6.25 | length 9.4
  Top Layer w0.15: U6.25@17.05,31.2 17.05,31.75 17.7,32.4 17.8,32.5 18.1,32.8 v1(18.1,33.9) ; v1(22.2,32.6) U1.W18@22.6,32.2
  Layer 4 w0.15: v1(18.1,33.9) 18.1,33 18.7,32.4 19.773,32.4 20.173,32 20.5,32 21.6,32 v1(22.2,32.6)
ECAT1_TXD2_GPIO134: U1.V18 U6.26 | length 10.2
  Top Layer w0.15: U6.26@16.55,31.2 16.55,32.15 17,32.6 17.1,32.7 17.3,32.9 v1(17.3,34) ; v1(22.2,31.8) U1.V18@22.6,31.4
  Layer 4 w0.15: v1(17.3,34) 17.3,33.35 17.3,33.164 18.514,31.95 19.586,31.95 20.036,31.5 20.5,31.5 21.9,31.5 v1(22.2,31.8)
ECAT1_TXD3_GPIO135: U1.U18 U6.27 | length 9.3
  Top Layer w0.15: U6.27@16.05,31.2 16.025,31.225 16.025,31.356 16.075,31.406 16.075,31.616 16.1,31.641 v1(16.1,33) ; v1(22.2,31) U1.U18@22.6,30.6
  Layer 4 w0.15: v1(16.1,33) 17.6,31.5 19.4,31.5 19.9,31 20.375,31 20.5,31 v1(22.2,31)
ECAT1_TXEN_GPIO129: U1.T10 U6.23 | length 12.9
  Top Layer w0.15: U6.23@17.7,30.05 17.732,30.05 17.757,30.075 18.116,30.075 18.35,30.309 18.35,30.668 v1(18.549,30.867) ; v1(28.6,30.2) U1.T10@29,29.8
  Layer 2 w0.15: v1(18.549,30.867) 18.549,30.451 19.201,29.799 20.225,29.799 20.5,29.799 24.433,29.799 24.434,29.8 24.766,29.8 24.767,29.799 25.233,29.799 25.234,29.8 25.566,29.8 25.567,29.799 26.033,29.799 26.034,29.8 26.366,29.8 26.367,29.799 26.833,29.799 26.834,29.8 27.166,29.8 27.167,29.799 27.633,29.799 27.634,29.8 27.966,29.8 27.967,29.799 28.199,29.799 v1(28.6,30.2)
ECAT_EEPROM_SCL_GPIO151: EEPROM1.6 R62.1 U1.C13 | length 7.2
  Top Layer w0.15: R62.1@24.7,14.4 25.4,14.4 ; EEPROM1.6@26.05,14.25 25.67,14.25 25.55,14.25 25.4,14.4 ; U1.C13@26.6,19.4 26.2,19 25.634,19 25.4,18.766 25.4,18.6 25.4,16.9 25.4,14.4
ECAT_EEPROM_SDA_GPIO150: EEPROM1.5 R61.1 U1.B13 | length 4
  Top Layer w0.15: EEPROM1.5@26.1,14.8 26.1,15.4 26.1,16.9 26.1,17.136 26.2,17.236 26.2,18.2 U1.B13@26.6,18.6
ECAT_ERROR_GPIO145: D5.K U1.E17 | length 22
  Top Layer w0.15: v1(23,20.6) U1.E17@23.4,21
  Top Layer w0.25: v1(15.7,35.3) D5.K@15.7,35.85
  Layer 4 w0.15: v1(15.7,35.3) 15.7,35.248 15.05,34.598 15.05,32.523 18.01,29.563 18.01,27.637 17.4,27.027 17.4,25.5 19.808,23.092 20.1,22.8 20.6,22.3 20.6,21.739 cw(c20.15,21.739) 20.598,21.702 20.8,21.5 22.2,21.5 22.5,21.8 23.2,21.8 23.4,21.6 23.4,21.205 23,20.805 v1(23,20.6)
ECAT_MDC_GPIO152: U1.D13 U5.12 U6.12 | length 40.9
  Top Layer w0.15: U5.12@15.05,12.2 15.05,11.214 15.7,10.564 v1(15.7,10.054) ; U6.12@15.05,26.4 15.05,24.378 15.4,24.028 v1(15.4,23.9) ; v1(26.2,19.8) U1.D13@26.6,20.2
  Layer 3 w0.15: v1(15.4,23.9) 15.8,23.5 15.8,12.7 15.8,10.154 v1(15.7,10.054)
  Layer 4 w0.15: v1(15.7,10.054) 15.929,9.824 17.71,9.824 19.092,11.206 20.306,11.206 21.1,12 21.1,15.899 22.101,16.9 22.105,16.904 24.404,16.904 25.4,17.9 27.3,17.9 27.8,18.4 27.8,19.615 27.215,20.2 26.6,20.2 v1(26.2,19.8)
  Bottom Layer w0.2: v1@15.69,10.054 v1(15.7,10.054)
ECAT_MDIO_GPIO153: R48.1 R56.1 U1.A12 U5.11 U6.11 | length 41.8
  Top Layer w0.15: U5.11@14.55,12.2 14.55,11.05 15.008,10.592 v1(14.951,10.535) v1@15,10.486 ; U6.11@14.55,26.4 14.55,24.1 v1(14.737,23.913) 14.749,23.902 R48.1@14.749,22.989 ; v1(27,16.3) 27.2,16.3 27.4,16.5 27.4,16.9 U1.A12@27.4,17.8
  Layer 3 w0.15: v1(14.737,23.913) 14.737,23.663 15.4,23 15.4,16.9 14.825,16.325 14.825,13.203 14.825,10.661 v1(14.951,10.535)
  Layer 4 w0.15: v1(14.951,10.535) 14.951,10.049 15.468,9.532 17.81,9.532 19.21,10.931 20.42,10.931 21.426,11.937 21.426,15.806 22.196,16.576 26.724,16.576 v1(27,16.3)
  Bottom Layer w0.2: v1@15.008,10.478 v1(14.951,10.535) 14.951,9.949 15.9,9 R56.1@16.5,9
ECAT_nRST_GPIO155: U1.C12 U5.32 U6.32 | length 32.2
  Top Layer w0.15: v1(12.979,31.83) 12.979,31.521 13.3,31.2 13.4,31.2 U6.32@13.55,31.2 ; v1(13.3,18) 13.3,17.915 13.55,17.665 U5.32@13.55,17 ; v1(27,19) U1.C12@27.4,19.4
  Layer 4 w0.15: v1(12.979,31.83) 12.979,24.779 12.6,24.4 12.6,18.7 v1(13.3,18) 14.6,16.7 18.164,16.7 19.664,18.2 20.5,18.2 24.436,18.2 25.236,19 v1(27,19)
ECAT_RUN_GPIO146: D6.K U1.D18 | length 26.8
  Top Layer w0.15: v1(21.183,20.785) 21.368,20.6 22.2,20.6 U1.D18@22.6,20.2
  Top Layer w0.25: v1(16.6,35.314) D6.K@16.6,35.85
  Layer 4 w0.15: v1(16.6,35.314) 16.6,35.2 15.5,34.1 15.5,32.709 18.209,30 18.924,30 19.4,29.524 19.4,28.2 19.1,27.9 19.1,26.4 20.5,25 20.9,24.6 20.9,22.8 21.1,22.6 24,22.6 24.2,22.4 24.2,21.2 24,21 23.966,21 23.634,21 23.4,20.766 23.4,20.716 23.4,20.3 23.2,20.1 21.868,20.1 v1(21.183,20.785)
ENC1_BISS_BRIDGE_GPIO13: U1.D1 | length 19.6
  Top Layer w0.15: U1.D1@36.2,20.2 v1(36.6,19.8)
  Top Layer w0.2: v1@34.303,4.741 v1(34.404,4.842)
  Layer 2 w0.15: v1(34.404,4.842) 36.3,6.738 36.3,12.6 35.5,13.4 35.5,16.7 35.5,16.9 35.5,17.5 34.603,18.397 34.603,18.832 34.6,18.834 34.6,19.166 34.603,19.168 34.603,19.632 34.6,19.634 34.6,19.7 34.6,19.966 34.833,20.199 34.834,20.2 35.166,20.2 35.167,20.199 35.633,20.199 35.634,20.2 35.966,20.2 35.967,20.199 36.201,20.199 v1(36.6,19.8)
ENC1_BISS_CLK_GPIO12: U1.C2 | length 16.5
  Top Layer w0.15: v1(35,19) U1.C2@35.4,19.4
  Top Layer w0.2: 35.65,4.279 v1(35.65,5.266)
  Layer 2 w0.15: v1(35,19) 35,18.65 36.05,17.6 36.05,16.9 36.05,13.486 36.75,12.786 36.75,6.366 v1(35.65,5.266)
ENC1_CLK_GPIO65: U1.K16 | length 34.3
  Top Layer w0.15: v1(23.8,25.4) U1.K16@24.2,25
  Layer 4 w0.15: v1(23.8,25.4) 24.2,25 32.9,25 33.8,24.1 33.8,22.366 33.8,22.034 33.8,20.766 33.8,20.434 33.8,19.966 33.8,19.634 33.8,19.166 33.8,18.834 33.8,17.364 34.264,16.9 35,16.164 35,8.9 v1(34.5,8.4)
  Layer 5 w0.15: v1(34.5,8.4) 34.8,8.1 36.678,8.1 37.4,7.378 37.4,5.234 v1(38.35,4.284)
ENC1_CS_GPIO66: U1.K17 | length 34.2
  Top Layer w0.15: v1(23,25.4) U1.K17@23.4,25
  Top Layer w0.2: v1@36.75,5.039 v1(36.75,5.143)
  Layer 4 w0.15: v1(23,25.4) 23.7,24.7 32.5,24.7 33,24.2 33,23.966 33,23.634 33,23.166 33,22.834 33,22.366 33,19.966 33,19.166 33,17.66 33.76,16.9 34.6,16.06 34.6,9.131 34.065,8.596 34.065,8.065 v1(33.8,7.8)
  Layer 5 w0.15: v1(33.8,7.8) 36.405,7.8 36.9,7.305 36.9,5.143 v1(36.75,5.143)
ENC1_SIMO_GPIO63: U1.J16 | length 34.5
  Top Layer w0.15: v1(23.8,23.8) U1.J16@24.2,24.2
  Layer 4 w0.15: v1(23.8,23.8) 24.2,23.4 30.034,23.4 30.378,23.4 30.6,23.178 30.6,18.3 30.813,18.087 30.813,16.9 30.813,14.549 30.15,13.886 30.15,11.414 32.498,9.065 v1(33.211,9.065)
  Layer 4 w0.2: v1@40.75,4.825 v1(40.75,4.89)
  Layer 5 w0.15: v1(33.211,9.065) 33.376,8.9 39.1,8.9 39.84,8.16 39.84,5.8 v1(40.75,4.89)
ENC1_SOMI_GPIO64: R69.2 | length 3.1
  Bottom Layer w0.25: v1(39.4,5.6) 39.4,6 38.7,6.7 38.7,7.4 R69.2@39.4,8.1
ENC2_BISS_BRIDGE_GPIO15: U1.D3 | length 20.3
  Top Layer w0.15: U1.D3@34.6,20.2 v1(35,19.8)
  Layer 2 w0.15: v1(35,19.8) 35.4,19.4 35.4,19.166 35.4,18.834 35.4,18.734 36.5,17.634 36.5,16.9 36.5,13.791 36.5,13.673 37.3,12.873 37.3,1.635 v2(36.865,1.2)
ENC2_BISS_CLK_GPIO14: U1.D2 | length 20.1
  Top Layer w0.15: U1.D2@35.4,20.2 v1(35.8,19.8)
  Layer 2 w0.15: v1(35.8,19.8) 37.1,18.5 37.1,16.9 37.1,13.709 37.8,13.009 37.8,6.4 37.8,1.535 v2(38.135,1.2)
ENC2_CLK_GPIO93: U1.B4 | length 20.7
  Top Layer w0.15: U1.B4@33.8,18.6 34.2,18.2 34.2,16.359 34.765,15.794 40.744,9.815 40.8,9.759 v1(40.8,9.7)
  Layer 2 w0.15: v2(40.675,1.2) 40.675,3.975 40.288,4.362 40.288,5.613 40.288,8.807 40.8,9.319 v1(40.8,9.7)
ENC2_CS_GPIO94: U1.A3 | length 19
  Top Layer w0.15: U1.A3@34.6,17.8 34.6,16.7 35.086,16.214 37.7,13.6 38.2,13.1 38.847,12.453 39.137,12.453 v1(39.137,12.475)
  Layer 2 w0.15: v1(39.137,12.475) 39.137,8.237 38.942,8.042 38.942,4.858 39.405,4.395 v2(39.405,1.2)
ENC2_SIMO_GPIO91: U1.B5 | length 21.9
  Top Layer w0.15: U1.B5@33,18.6 33.4,18.2 33.4,15.803 34.151,15.051 38.344,10.859 38.344,8.36 v1(38.35,8.36)
  Layer 4 w0.2: v1(38.35,8.36) 38.8,7.91 38.8,5.225 41.925,2.1 42.825,1.2 v2(43.215,1.2)
ENC2_SOMI_GPIO92: R65.1 | length 8.2
  Top Layer w0.2: R65.1@39.3,7.9 39.3,7.1 v1(39.35,7.1)
  Layer 5 w0.15: v1(39.35,7.1) 39.35,6.95 38.9,6.5 38.9,4.825 39.35,4.375 39.35,3.75 41.9,1.2 v2(41.945,1.2)
ENC3_CLK_GPIO56: U1.N16
ENC3_CS_GPIO57: U1.N18
ENC3_SIMO_GPIO54: U1.P18
ENC3_SOMI_GPIO55: R67.2
ENC4_CLK_GPIO60: U1.M17
ENC4_CS_GPIO61: U1.L16
ENC4_SIMO_GPIO58: U1.N17
ENC4_SOMI_GPIO59: R68.2
ENET_PHY_CLK: R10.1
EQEP1A_GPIO20: U1.F2
EQEP1B_GPIO21: U1.F3
EQEP1I_GPIO23: U1.K4
EQEP2A_GPIO24: U1.K3
EQEP2B_GPIO25: U1.K2
EQEP2I_GPIO26: U1.K1
ERRORSTS: U1.U19
EXT_CLK_GPIO52: U1.P16
EXT_CS_GPIO103: U1.J1
EXT_SIMO_GPIO50: U1.R18
EXT_SOMI_GPIO51: U1.R19
F2838x_25MHZ_CLK: R6.2 R15.1 U1.G19 | length 20.5
  Top Layer w0.15: R15.1@18.7,9.6 R15.1@18.7,9.7 ; v1(18.972,22.6) U1.G19@21.8,22.6
  Top Layer w0.25: v1(18.45,9.558) 18.598,9.558 cw(c18.7,9.456) R15.1@18.7,9.6 ; R6.2@18.6,23.5 18.6,23.498 ccw(c19.87,23.498) v1(18.972,22.6)
  Layer 2 w0.25: v1(18.972,22.6) cw(c19.035,22.537) v1@19.035,22.626
  Layer 3 w0.25: v1(18.45,9.558) 17.426,9.558 cw(c17.426,10.726) 16.6,9.9 cw(c17.357,10.657) 16.286,10.657 16.286,11.46 cw(c18.04,11.46) 16.8,12.7 ccw(c15.593,13.907) 17.3,13.907 17.3,15.351 ccw(c15.251,15.351) 16.7,16.8 cw(c17.666,17.766) 16.3,17.766 16.3,19.047 cw(c18.426,19.047) 16.923,20.551 v1(18.972,22.6)
  Bottom Layer w0.25: v1(18.45,9.558) v1@18.456,9.552
FS1_I2CA_SCL_GPIO32: U1.U13
FS1_I2CA_SDA_GPIO31: U1.U11
FS2_I2CB_SCL_GPIO41: U1.U17
FS2_I2CB_SDA_GPIO40: U1.V17
GHA1: C13.1 Q1.4 U3.6 | length 17.4
  Layer 6 w0.5: v2(48.582,20.054) 48.65,19.986 48.65,19.689 50.75,17.589 50.75,10.95 v2(51.6,10.1)
  Bottom Layer w0.25: U3.6@48.25,17.625 48.25,18.73 48.25,19.654 48.582,19.986 v2(48.582,20.054)
  Bottom Layer w0.5: v2(51.6,10.1) 51.75,10.25 C13.1@53.75,10.25 ; C13.1@53.773,10.25 C13.1@53.75,10.25 ; Q1.4@55.075,10.092 54.968,10.2 53.8,10.2 C13.1@53.75,10.25
GHA2: C36.1 Q7.4 U4.6 | length 57
  Layer 5 w0.5: v2(48.9,40.6) 49.2,40.3 52.3,40.3 53.316,39.284 53.316,35.431 55.448,33.3 71.546,33.3 72.096,33.85 82.511,33.85 84,35.339 84,38 84.7,38.7 89.7,38.7 v2(90.25,39.25)
  Bottom Layer w0.25: U4.6@48.25,36.875 48.25,39.625 48.87,40.245 48.87,40.57 v2(48.9,40.6)
  Bottom Layer w0.5: Q7.4@88.925,39.657 88.925,39.825 89.1,40 90.25,40 v2(90.25,39.25)
GHB1: C14.1 Q2.4 U3.15 | length 30.1
  Top Layer w0.3: C14.1@72.994,9.994 v2(73,10)
  Layer 7 w0.5: v2(52.436,15.252) 52.436,16.736 53.1,17.4 59.161,17.4 60.761,15.8 71.2,15.8 72.1,14.9 72.1,11.4 72.989,10.511 72.989,9.412
  Bottom Layer w0.25: U3.15@50.875,15 52.131,15 52.348,15.218 52.471,15.218 v2(52.436,15.252)
GHB2: C37.1 Q8.4 U4.15 | length 29.3
  Top Layer w0.5: C37.1@71,39.75 71.808,39.75 v2(71.913,39.645)
  Layer 6 w0.5: v2(52.722,34.33) 52.745,34.307 53.693,34.307 54.874,33.126 54.988,33.126 55,33.126 70.833,33.126 71.929,34.222 71.913,34.238 v2(71.913,39.645)
  Bottom Layer w0.25: U4.15@50.875,34.25 52.642,34.25 v2(52.722,34.33)
  Bottom Layer w0.5: Q8.4@70.996,39.657 71.008,39.645 v2(71.913,39.645)
GHC1: C15.1 Q3.4 U3.16 | length 36.5
  Layer 6 w0.5: v2(52.4,14.4) 53.324,14.4 54.774,15.85 59.32,15.85 60.32,14.85 71.297,14.85 72.029,14.118 72.029,11.924 72.703,11.25 78,11.25 78.562,10.688 78.562,8.628
  Bottom Layer w0.25: U3.16@50.875,14.5 52.3,14.5 v2(52.4,14.4)
  Bottom Layer w0.5: v2(78.5,8.9) 78.5,8.69 78.566,8.624 79.194,8.624 79.194,9.306 79,9.5 79,10.273 Q3.4@78.981,10.292
GHC2: C38.1 Q9.4 U4.16 | length 23.7
  Layer 7 w0.5: v2(53.35,32.9) 53.6,32.9 54.988,34.288 55,34.3 55.7,35 59.2,35 60.3,36.1 60.3,38.1 60.8,38.6 64.1,38.6 64.8,39.3 64.8,40.4 65.56,41.16 v2(66.396,41.16)
  Bottom Layer w0.25: U4.16@50.875,33.75 52.4,33.75 52.504,33.646 52.638,33.646 53.35,32.934 v2(53.35,32.9)
  Bottom Layer w0.5: Q9.4@65.019,39.657 65.019,40.719 65.47,41.17 C38.1@66.363,41.17
GLA1: C16.1 Q4.4 U3.8 | length 23.1
  Layer 7 w0.5: v2(50.3,20.5) 50.5,20.3 50.5,19.169 51.519,18.15 59.471,18.15 61.021,16.6 65.087,16.6 v2(65.65,17.163)
  Bottom Layer w0.25: U3.8@49.25,17.625 49.25,19.066 49.659,19.475 50.025,19.841 50.025,20.157 50.3,20.432 v2(50.3,20.5)
  Bottom Layer w0.5: Q4.4@65.019,15.807 65.019,16.108 65.262,16.35 65.264,16.35 65.75,16.836 65.75,17.35 C16.1@65.8,17.4
GLA2: C39.1 Q10.4 U4.8 | length 40.6
  Layer 5 w0.5: v2(49.611,39.395) 50.332,38.675 50.332,37.638 51.7,36.27 51.7,32.519 52.96,31.26 57.06,31.26 58.3,32.5 71,32.5 71.7,31.8 72.5,31.8 73.7,33 78,33 v2(78.25,32.75)
  Bottom Layer w0.25: U4.8@49.25,36.875 49.25,38.41 49.611,38.771 v2(49.611,39.395)
  Bottom Layer w0.5: v2(78.25,32.75) 78.3,32.8 78.3,33.214 78.754,33.667 78.806,33.667 78.981,33.843 Q10.4@78.981,34.143
GLB1: C17.1 Q5.4 U3.13 | length 29
  Layer 6 w0.5: v2(53.35,18.9) 55.25,17 59.4,17 60.7,15.7 70.617,15.7 v2(72.32,17.403)
  Bottom Layer w0.25: U3.13@50.875,16 51.77,16 52.071,16.301 52.501,16.301 53.1,16.9 53.6,16.9 53.8,17.1 53.8,18.45 v2(53.35,18.9)
  Bottom Layer w0.5: Q5.4@70.996,15.807 70.996,16.108 71.271,16.382 71.532,16.382 71.8,16.65 71.8,17.4 72.317,17.4 v2(72.32,17.403)
GLB2: C40.1 Q11.4 U4.13 | length 29.4
  Layer 6 w0.5: v2(52.566,35.85) 52.352,35.85 51.85,35.348 51.85,32.393 52.843,31.4 54.85,31.4 55,31.55 55.823,32.373 72.009,32.373 v2(72.206,32.571)
  Bottom Layer w0.25: U4.13@50.875,35.25 51.798,35.25 52.398,35.85 v2(52.566,35.85)
  Bottom Layer w0.5: v2(72.206,32.571) 72.206,32.544 72.25,32.5 72.25,33.75 72.75,34.25 72.897,34.25 Q11.4@73.004,34.143
GLC1: C18.1 Q6.4 U3.18 | length 46.6
  Layer 5 w0.5: v2(52.577,13.075) 53.15,13.648 53.15,14.611 53.17,14.63 53.17,15.095 54.525,16.45 60.011,16.45 60.561,15.9 83.1,15.9 84.276,14.724 v2(90.336,14.724)
  Bottom Layer w0.25: U3.18@50.875,13.5 51.728,13.5 52.096,13.132 52.52,13.132 v2(52.577,13.075)
  Bottom Layer w0.5: Q6.4@88.925,15.807 89.2,16.083 89.2,16.581 89.421,16.802 89.998,16.802 90.1,16.7 90.1,14.96 v2(90.336,14.724)
GLC2: C41.1 Q12.4 U4.18 | length 5.9
  Bottom Layer w0.25: U4.18@50.875,32.75 51.766,32.75 52.283,32.233 53.567,32.233 53.859,32.525 54.125,32.525 54.3,32.7 54.3,33.9 54.5,34.1 55.033,34.1 Q12.4@55.075,34.143